# Altium PCB BluetoothAdapter1.0.PcbDoc
Units mm, origin at the board's own origin, x right, y up, seen from the top; angles counter-clockwise.
Board outline 50 x 28 mm, 2 copper layers (Top Layer, Bottom Layer); 68 components, 51 nets, 205 pads, 108 vias.
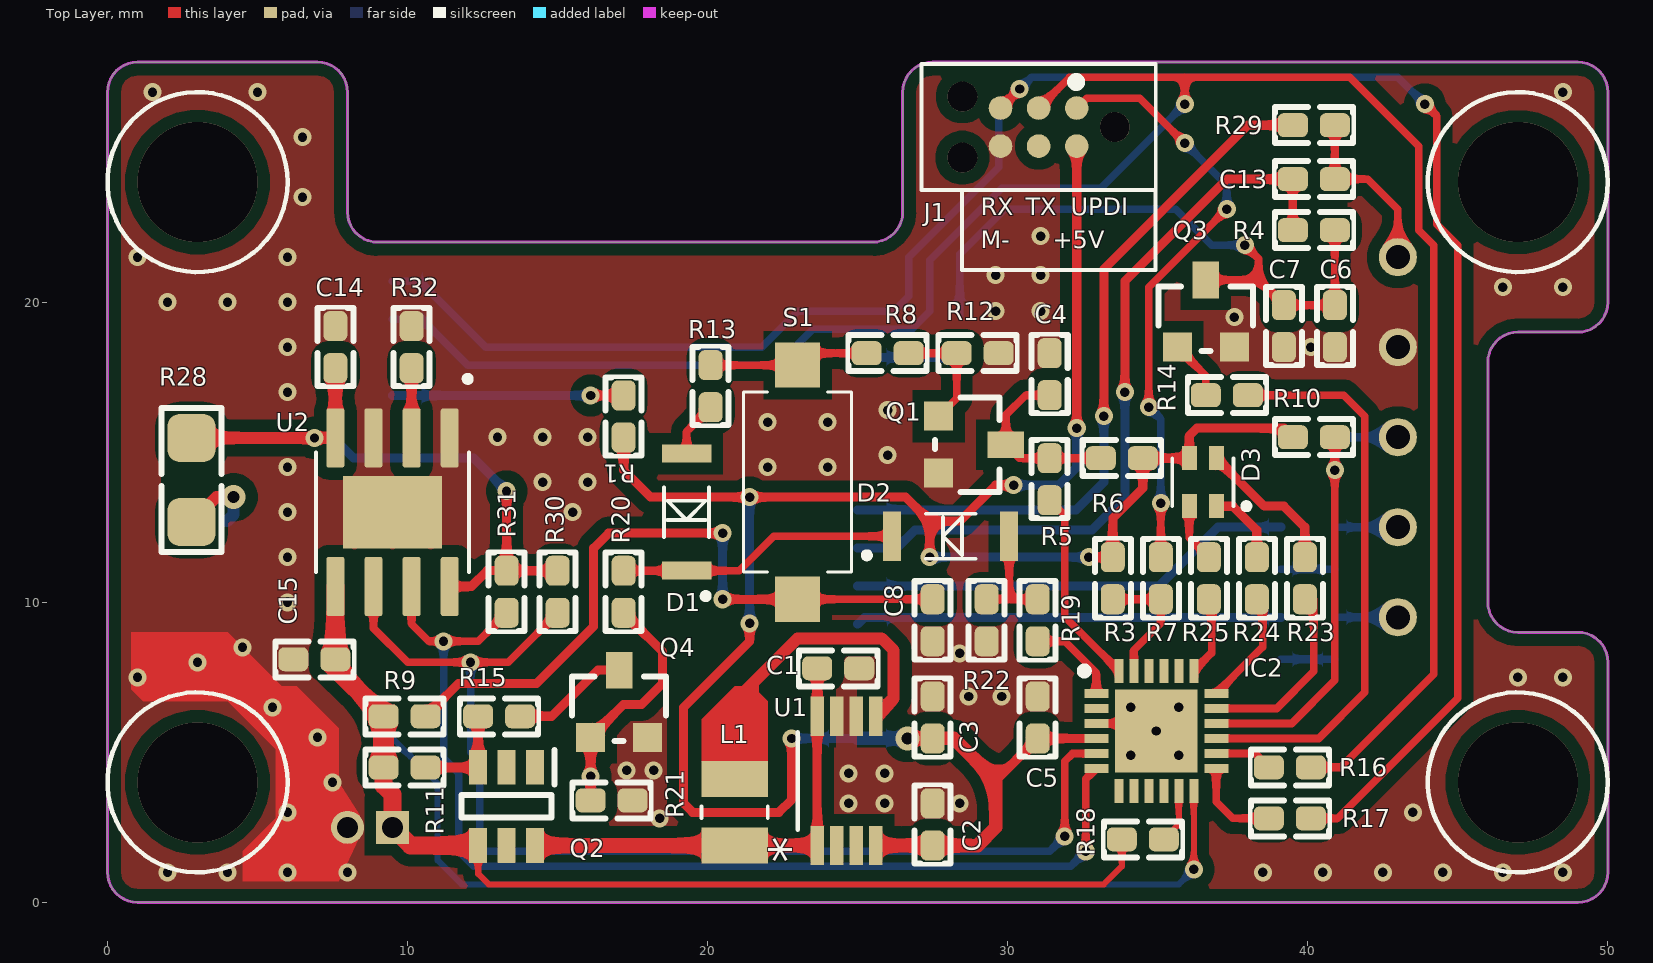
[diagram p0: Top Layer view]
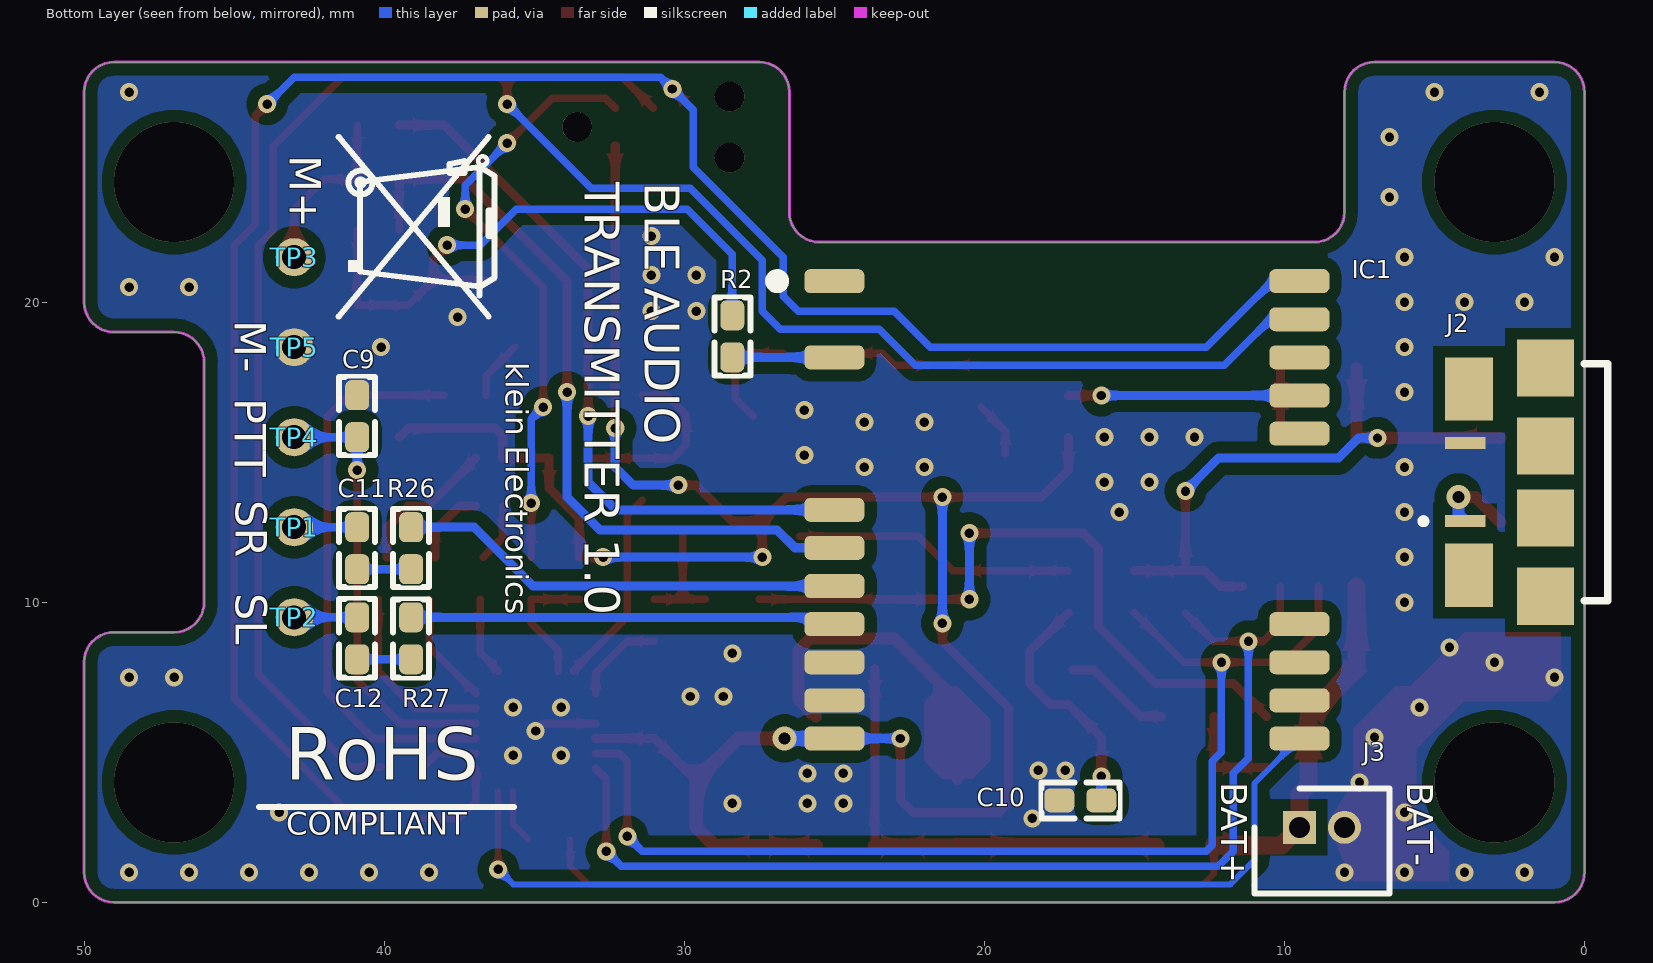
[diagram p1: Bottom Layer view, seen from below]
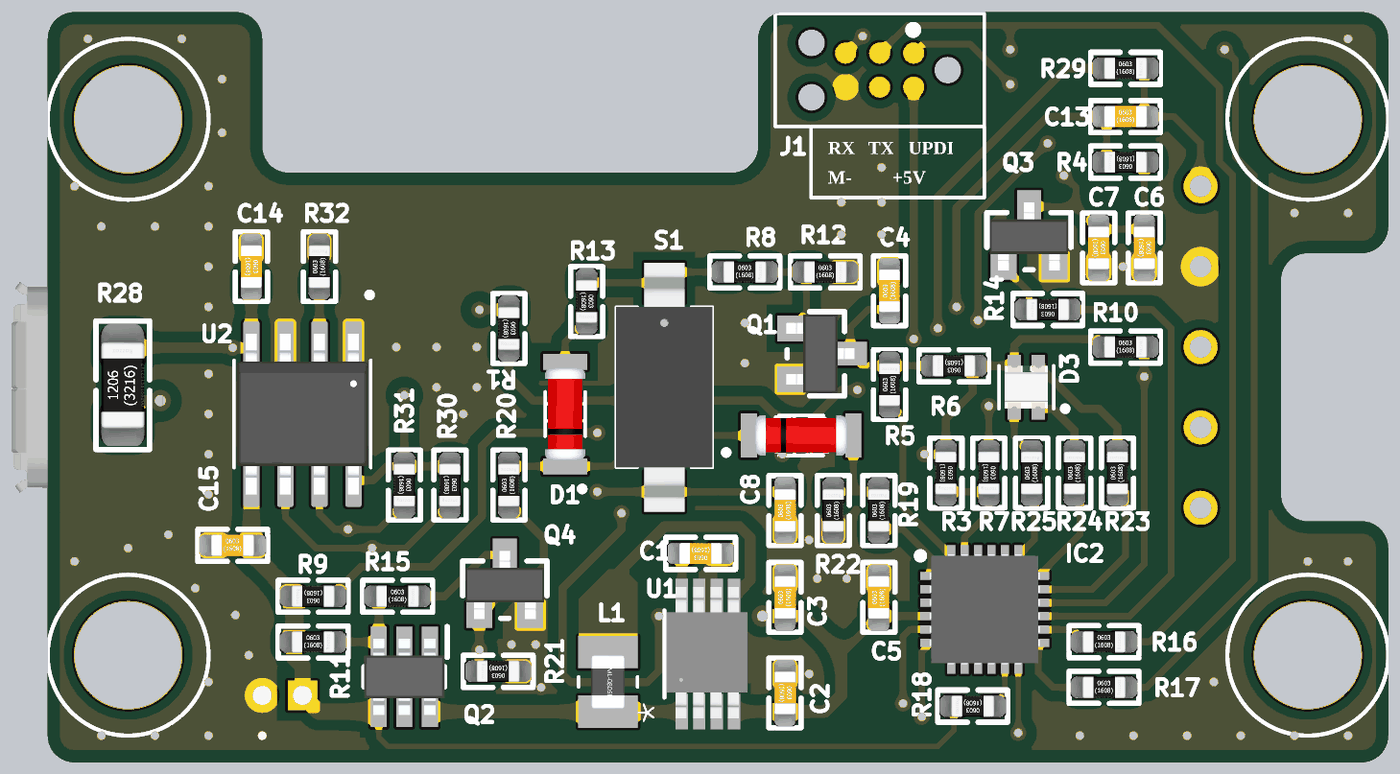
[diagram p2: 3D render of the assembled board from above, using the file's embedded part models]
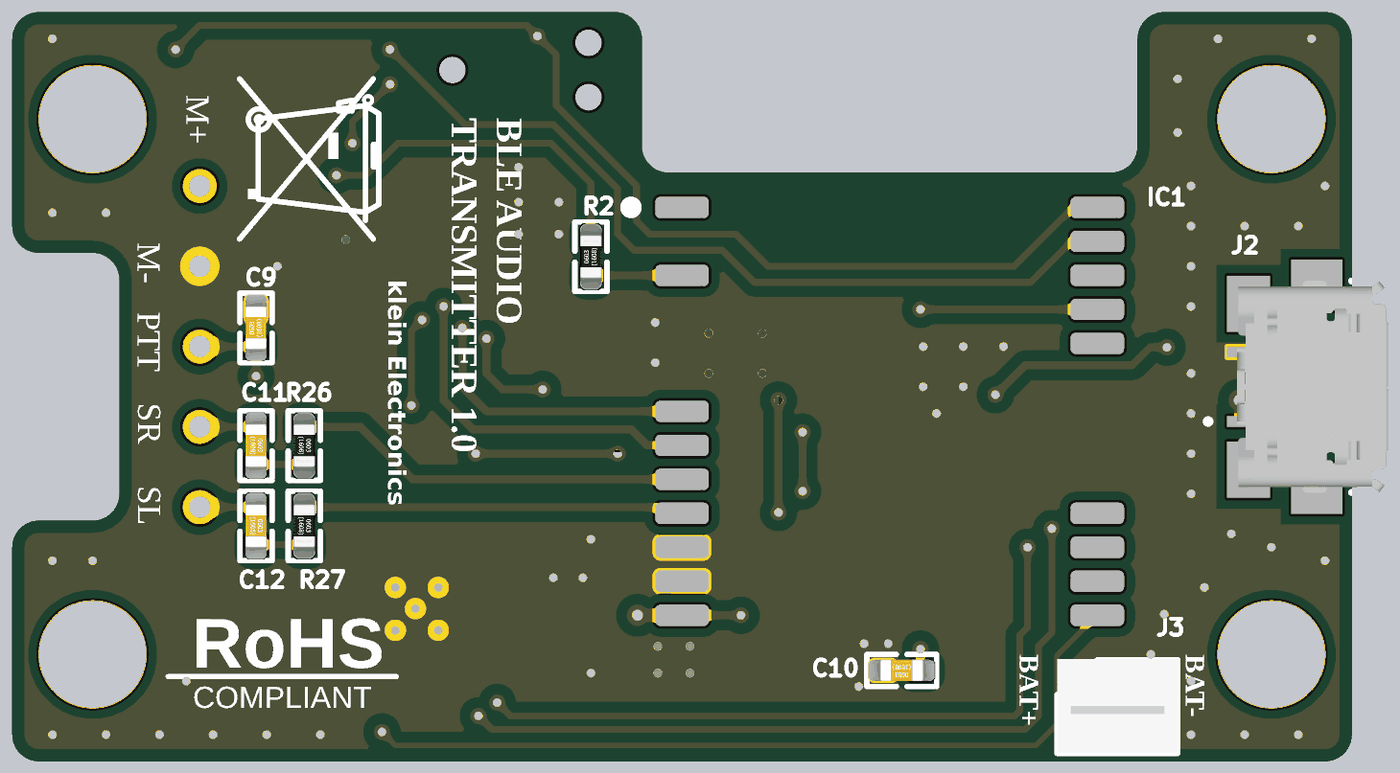
[diagram p3: 3D render of the assembled board from below, using the file's embedded part models]

## Layer stack, top to bottom
Top Solder: solder mask 0.0102, Solder Resist, Dk 3.5
Top Layer: signal copper 0.0356
Dielectric 1: dielectric 0.32, FR-4, Dk 4.8
Bottom Layer: signal copper 0.0356
Bottom Solder: solder mask 0.0102, Solder Resist, Dk 3.5

## Board outline
1,0 cw(c1,1) 0,1 0,27 cw(c1,27) 1,28 7,28 cw(c7,27) 8,27 8,23 ccw(c9,23) 9,22 25.5,22 ccw(c25.5,23) 26.5,23 26.5,27 cw(c27.5,27) 27.5,28 49,28 cw(c49,27) 50,27 50,20 cw(c49,20) 49,19 47,19 ccw(c47,18) 46,18 46,10 ccw(c47,10) 47,9 49,9 cw(c49,8) 50,8 50,1 cw(c49,1) 49,0

## Design rules (kind name [scope] priority, off if disabled: settings)
Clearance Clearance_2 [InPoly] p1: gap=0.4 ignorepadtopadclearanceinfootprint=FALSE
Clearance Clearance_Footprint [HasFootprint('QFN50P400X400X90-25N-D') = false or InComponent('IC2')] p2: gap=0.15 ignorepadtopadclearanceinfootprint=FALSE
Clearance [All] p3: gap=0.254 ignorepadtopadclearanceinfootprint=FALSE
HoleSize [All] p1: absolutevalues=TRUE maxlimit=10 minlimit=0.025 maxpercent=80.000 minpercent=20.000
MinimumSolderMaskSliver [All] p1: minsoldermaskwidth=0
PolygonConnect [All] p1: connectstyle=Direct reliefconductorwidth=0.254 reliefentries=4 polygonreliefangle="90 Angle" airgapwidth=0.254
RoutingVias [All] p1: holewidth=0.31 width=0.6 viastyle="Through Hole" minholewidth=0.3 minwidth=0.6 maxholewidth=10 maxwidth=10
SilkToSilkClearance [All] p1: silktosilkclearance=0
SilkToSolderMaskClearance [IsPad] p1: minsilkscreentomaskgap=0 clearancetoexposedcopper=TRUE
SolderMaskExpansion [All] p1: expansion=0.102
Width [All] p1: maxlimit=2 minlimit=0.2 preferedwidth=0.254
26 further rules are at their usual default settings.

## Components (designator, comment, footprint, x,y, rotation, side; value= is the part's Value field where it differs from the comment)
C1 "CAP CER 10UF 16V X5R 0603" C0603S 24.352,7.8 r180 top value=10uF/16V
C2 "CAP CER 10UF 16V X5R 0603" C0603S 27.5,2.594 r270 top value=10uF/16V
C3 "CAP CER 0.1UF 25V X7R 0603" C0603S 27.5,6.16 r90 top value=0.1uF/25V
C4 "CAP CER 0.1UF 25V X7R 0603" C0603S 31.4,17.6 r90 top value=0.1uF/25V
C5 "CAP CER 0.1UF 25V X7R 0603" C0603S 31,6.16 r90 top value=0.1uF/25V
C6 "CAP CER 1UF 25V X7R 0603" C0603S 40.9,19.2 r270 top value=1uF/25V
C7 "CAP CER 0.1UF 25V X7R 0603" C0603S 39.2,19.2 r270 top value=0.1uF/25V
C8 "CAP CER 100PF 25V X7R 0603" C0603S 27.5,9.4 r90 top value=100pF/25V
C9 "CAP CER 0.1UF 25V X7R 0603" C0603S 40.9,16.2 r90 bottom value=0.1uF/25V
C10 "CAP CER 0.1UF 25V X7R 0603" C0603S 16.8,3.4 r0 bottom value=0.1uF/25V
C11 "CAP CER 10UF 16V X5R 0603" C0603S 40.9,11.8 r270 bottom value=10uF/16V
C12 "CAP CER 10UF 16V X5R 0603" C0603S 40.9,8.8 r270 bottom value=10uF/16V
C13 "CAP CER 1UF 25V X7R 0603" C0603S 40.2,24.1 r0 top value=1uF/25V
C14 "CAP CER 10UF 16V X5R 0603" C0603S 7.595,18.5 r270 top value=10uF/16V
C15 "CAP CER 10UF 16V X5R 0603" C0603S 6.895,8.1 r0 top value=10uF/16V
D1 "DIODE GEN PURP 100V 200MA SOD80" DIO_LL4148 19.3,13 r90 top value=LL4148
D2 "DIODE GEN PURP 100V 200MA SOD80" DIO_LL4148 28.1,12.2 r0 top value=LL4148
D3 "LED RGB MIXED WHITE ( 1.6(L)X1.6" LED_B38G3RGB-10D0003H2U1930 36.5,14 r180 top value=B38G3RGB-10D0003H2U1930
IC1 "AUDIO BLE/SPP PASS-THROUGH MODU" DFR0781 25,5.46 r180 bottom locked value=DFR0781
IC2 "IC MCU 8BIT 32KB FLASH 24VQFN" QFN50P400X400X90-25N-D 34.95,5.71 r0 top value=ATTINY3217-MNR
J1 "TC2030-IDC-NL" TAG_TC2030-IDC-NL 30.339,25.81 r180 top
J2 "CONN RCPT USB2.0 MICRO B SMD R/A" 101181920001LF 2.3,14 r90 bottom value=10118192-0001LF
J3 "CONN HEADER VERT 2POS 1.5MM" SHDR2W50P0X150_1X2_450X350X450P 9.5,2.5 r0 bottom value=B2B-ZR(LF)(SN)
L1 "FIXED IND 4.7UH 1.3A 120MOHM SMD" INDC2520X100N 20.9,3.004 r270 top value=4.7uH
Q1 "TRANS NPN 25V 0.5A SOT23" SOT23-3D 27.7,16.2 r270 top value=S8050
Q2 "MOSFET P-CH 30V 5A 6CPH" SOT95P285X140-6N 13.3,3.194 r270 top value=CPH6341-TL-W
Q3 "TRANS NPN 25V 0.5A SOT23" SOT23-3D 35.65,18.5 r0 top value=S8050
Q4 "TRANS NPN 25V 0.5A SOT23" SOT23-3D 16.1,5.5 r0 top value=S8050
R1 "RES 10K OHM 1% 1/10W 0603" R0603S 17.2,16.19 r270 top value=10K
R2 "RES 0OHM 1% 1/10W 0603" R0603S 28.4,18.86 r90 bottom value=0R_DNP
R3 "RES 100K OHM 1% 1/10W 0603" R0603S 33.5,10.8 r270 top value=100K
R4 "RES 0OHM 1% 1/10W 0603" R0603S 40.2,22.4 r180 top value=0R
R5 "RES 56 OHM 1% 1/10W 0603" R0603S 31.4,14.1 r90 top value=56R
R6 "RES 10K OHM 1% 1/10W 0603" R0603S 33.8,14.8 r180 top value=10K
R7 "RES 470 OHM 1% 1/10W 0603" R0603S 35.1,10.8 r270 top value=470R
R8 "RES 10K OHM 1% 1/10W 0603" R0603S 26,18.3 r0 top value=10K
R9 "RES 56 OHM 1% 1/10W 0603" R0603S 9.9,6.2 r180 top value=56R
R10 "RES 10K OHM 1% 1/10W 0603" R0603S 40.2,15.5 r0 top value=10K
R11 "RES 10K OHM 1% 1/10W 0603" R0603S 9.9,4.494 r0 top value=10K
R12 "RES 10K OHM 1% 1/10W 0603" R0603S 29,18.3 r0 top value=10K
R13 "RES 10K OHM 1% 1/10W 0603" R0603S 20.1,17.2 r270 top value=10K
R14 "RES 1K OHM 1% 1/10W 0603" R0603S 37.3,16.9 r180 top value=1K
R15 "RES 1K OHM 1% 1/10W 0603" R0603S 13.05,6.2 r0 top value=1K
R16 "RES 1K OHM 1% 1/10W 0603" R0603S 39.4,4.5 r0 top value=1K
R17 "RES 1K OHM 1% 1/10W 0603" R0603S 39.4,2.8 r0 top value=1K
R18 "RES 10K OHM 1% 1/10W 0603" R0603S 34.5,2.1 r180 top value=10K
R19 "RES 200 OHM 1% 1/10W 0603" R0603S 31,9.4 r90 top value=200R
R20 "RES 1K OHM 1% 1/10W 0603" R0603S 17.2,10.35 r90 top value=1K
R21 "RES 200K OHM 1% 1/10W 0603" R0603S 16.8,3.4 r180 top value=200K
R22 "RES 10K OHM 1% 1/10W 0603" R0603S 29.3,9.4 r90 top value=10K
R23 "RES 1K OHM 1% 1/10W 0603" R0603S 39.9,10.8 r90 top value=1K
R24 "RES 1K OHM 1% 1/10W 0603" R0603S 38.3,10.8 r90 top value=1K
R25 "RES 1K OHM 1% 1/10W 0603" R0603S 36.7,10.8 r90 top value=1K
R26 "RES 22 OHM 5% 1/10W 0603" R0603S 39.1,11.8 r270 bottom value=22R
R27 "RES 22 OHM 5% 1/10W 0603" R0603S 39.1,8.8 r270 bottom value=22R
R28 "RES 0.4 OHM 1% 1/4W 1206" R1206S 2.8,14.075 r90 top value=0.4R
R29 "RES 6.2K OHM 1% 1/10W 0603" R0603S 40.2,25.9 r0 top value=6.2K
R30 "RES 2K OHM 1% 1/10W 0603" R0603S 15,10.35 r270 top value=2K
R31 "RES 2K OHM 1% 1/10W 0603" R0603S 13.3,10.35 r270 top value=2K
R32 "RES 2.7K OHM 1% 1/10W 0603" R0603S 10.135,18.5 r90 top value=2.7K
S1 "SWITCH TACTILE SPST-NO 0.05A 12V" RS282G05A3SMRT 23,14 r270 top value="RS-282G05A3-SM RT"
TP1 "TP" TP 43,12.5 r180 bottom
TP2 "TP" TP 43,9.5 r180 bottom
TP3 "TP" TP 43,21.5 r180 bottom
TP4 "TP" TP 43,15.5 r180 bottom
TP5 "TP" TP 43,18.5 r180 bottom
U1 "IC REG BOOST 5V 800MA 8MSOP" MCP1642B-50I/MS 24.5,4.1 r90 top value=MCP1642B-50I/MS
U2 "ESOP-8 Battery Management ICs" SOP127P600X175-9N 9.5,13 r270 top value=TP4056

## Footprints (in the part's own frame and the unit in brackets; to place one, negate y for a bottom-side part, rotate by r counter-clockwise, add the part's x,y. Pads: shape width x height; smd on the part's side, far side on the other; paste and mask are expansions set on the pad)
101181920001LF [mm]
  rect 0.4x1.35 smd: 1(-1.3,1.682) 5(1.3,1.682)
  rect 2.1x1.6 smd: 6(-3.1,1.557) 7(3.1,1.557)
  rect 1.9x1.9 smd: 8(-1.2,-0.993) 9(1.2,-0.993) 10(-3.8,-0.993) 11(3.8,-0.993)
  silkscreen extent -3.95,-3.08 3.95,3.17, body extent -3.96,-3.68 3.96,1.99, height 2.78
C0603S [mm] "CHIP Capacitor, 1.6X0.8mm, 0603, soldered"
  rrect50% 1x0.8 smd mask+0.075: 1(-0.7,0) 2(0.7,0)
  silkscreen extent -1.33,-0.6 1.32,0.6, body extent -1.23,-0.4 1.23,0.4, height 0.8
DFR0781 [mm]
  rrect50% 2x0.8 smd: 1(0,15.24) 3(0,12.7) 7(0,7.62) 8(0,6.35) 9(0,5.08) 10(0,3.81) 11(0,2.54) 12(0,1.27) 13(0,0) 14(15.5,0) 15(15.5,1.27) 16(15.5,2.54) 17(15.5,3.81) 22(15.5,10.16) 23(15.5,11.43) 24(15.5,12.7) 25(15.5,13.97) 26(15.5,15.24)
  silkscreen extent -2.1,15.04 -1.71,15.44, body extent -0.1,-0.9 15.6,22.54, height 2
DIO_LL4148 [mm]
  rect 0.6x1.65 smd: 1(1.95,0) 2(-1.95,0)
  silkscreen extent -2.89,-0.75 0.83,0.75, body extent -1.72,-0.75 1.73,0.75, height 1.5
INDC2520X100N [mm]
  rect 1.2x2.22 smd: 1(-1.11,0) 2(1.11,0)
  silkscreen extent -0.19,-1.1 0.19,1.1, body extent -1,-0.63 1,0.63, height 0.82
LED_B38G3RGB-10D0003H2U1930 [mm]
  rect 0.5x0.8 smd: 1(-0.45,0.8) 2(0.45,0.8) 3(0.45,-0.8) 4(-0.45,-0.8)
  silkscreen extent -1.55,-0.8 1.02,0.9, body extent -0.8,-0.8 0.8,0.8, height 0.4
MCP1642B-50I/MS [mil]
  rect 51.46x18 smd paste+0 mask+0: 1(-86.85,33.39) 2(-86.85,7.8) 3(-86.85,-17.8) 4(-86.85,-43.39) 5(82.6,-43.39) 6(82.6,-17.8) 7(82.6,7.8) 8(82.6,33.39)
  silkscreen extent -66,59 62,59, body extent -96,-63 96,55, height 43
QFN50P400X400X90-25N-D [mm]
  rect 0.8x0.3 smd: 1(-2,1.25) 2(-2,0.75) 3(-2,0.25) 4(-2,-0.25) 5(-2,-0.75) 6(-2,-1.25) 13(2,-1.25) 14(2,-0.75) 15(2,-0.25) 16(2,0.25) 17(2,0.75) 18(2,1.25)
  rect 0.3x0.8 smd: 7(-1.25,-2) 8(-0.75,-2) 9(-0.25,-2) 10(0.25,-2) 11(0.75,-2) 12(1.25,-2) 19(1.25,2) 20(0.75,2) 21(0.25,2) 22(-0.25,2) 23(-0.75,2) 24(-1.25,2)
  rect 2.75x2.75 smd: 25(0,0)
  silkscreen extent -2.52,1.88 -2.27,2.12, body extent -2.05,-2.05 2.05,2.05, height 0.9
R0603S [mm] "CHIP Resistor 1/10 WATT, 1.6x0.8mm, 0603, 1608, soldered"
  rrect50% 1x0.8 smd mask+0.05: 1(-0.7,0) 2(0.7,0)
  silkscreen extent -1.33,-0.6 1.32,0.6, body extent -1.23,-0.4 1.23,0.4, height 0.8
R1206S [mm] "CHIP RESISTOR 1/4 WATT, Body 3.2x1.6mm,1206, 3216, soldered"
  rrect50% 1.6x1.6 smd mask+0.075: 1(-1.4,0) 2(1.4,0)
  Top Layer pour cut-out: -0.8,1 -0.8,-1 0.8,-1 0.8,1
  silkscreen extent -2.4,-1 2.4,1, body extent -2.27,-0.8 2.27,0.8, height 1.25
RS282G05A3SMRT [mm]
  rect 1.5x1.5 smd: 1(-3.9,0) 2(3.9,0)
  silkscreen extent -3,-1.8 3,1.8, body extent -4.65,-1.8 4.65,1.8, height 2.49
SHDR2W50P0X150_1X2_450X350X450P [mm]
  rect 1.1x1.1 hole 0.7: 1(0,0)
  round 1.1 hole 0.7: 2(-1.5,0)
  silkscreen extent -3,-1.3 1.5,2.2, body extent -3.01,-1.32 1.49,2.18, height 4.5
SOP127P600X175-9N [mm]
  rrect25% 1.97x0.6 smd: 1(-2.475,1.905) 2(-2.475,0.635) 3(-2.475,-0.635) 4(-2.475,-1.905) 5(2.475,-1.905) 6(2.475,-0.635) 7(2.475,0.635) 8(2.475,1.905)
  rect 2.413x3.302 smd paste-3: 9(0,0)
  silkscreen extent -4.54,-2.55 2,2.6, body extent -3,-2.45 3,2.45, height 1.7
SOT23-3D [mm]
  rect 0.965x0.965 smd: 1(0,0) 3(1.9,0)
  rect 0.889x1.219 smd: 2(0.95,2.24)
  silkscreen extent -0.62,-0.12 2.52,2.02, body extent -0.51,-0.15 2.41,2.39, height 1
SOT95P285X140-6N [mm]
  rect 1.15x0.6 smd: 1(-1.3,0.95) 2(-1.3,0) 3(-1.3,-0.95) 4(1.3,-0.95) 5(1.3,0) 6(1.3,0.95)
  silkscreen extent -1.88,-1.5 0.38,1.6, body extent -1.43,-1.5 1.42,1.5, height 1.4
TAG_TC2030-IDC-NL [mm]
  round 0.787 smd paste-1: 1(-1.961,-0.66) 2(-1.961,0.61) 3(-0.691,-0.66) 4(-0.691,0.61) 5(0.579,-0.66) 6(0.579,0.61)
  round 0.991 hole 0.991 unplated: ""(-3.231,-0.025) ""(1.849,-1.041) ""(1.849,0.991)
  silkscreen extent -4.59,-2.13 3.21,2.08
TP [mm]
  round 1.27 hole 0.8: 1(0,0)

## Part data
C1 C2 C11 C12 C14 C15: library part Cap, "10 µF ±20% 16V Ceramic Capacitor X5R 0603 (1608 Metric)", Digi-Key Part Number=490-10729-6-ND, Manufacturer="Murata Electronics", Manufacturer Product Number=GRM188R61C106MAALD, TemperatureCoefficient=X5R, Digi-Key PurchaseURL=https://www.digikey.com/en/products/detail/murata-electronics/GRM188R61C106MAALD/4905340
C3 C4 C5 C7 C9 C10: library part Cap, "0.1 µF ±10% 25V Ceramic Capacitor X7R 0603 (1608 Metric)", Digi-Key Part Number=399-C0603C104K3RAC7867TR-ND, Manufacturer=KEMET, Manufacturer Product Number=C0603C104K3RAC7867, TemperatureCoefficient=X7R, Digi-Key PurchaseURL=https://www.digikey.com/en/products/detail/kemet/C0603C104K3RAC7867/416044
C6 C13: library part Cap, "1 µF ±10% 25V Ceramic Capacitor X7R 0603 (1608 Metric)", Digi-Key Part Number=399-C0603C105K3RAC7867DKR-ND, Manufacturer=KEMET, Manufacturer Product Number=C0603C105K3RAC7867, TemperatureCoefficient=X7R, Digi-Key PurchaseURL=https://www.digikey.com/en/products/detail/kemet/C0603C105K3RAC7867/3317582?s=N4IgTCBcDaIMIAYBsCDMcCMCCsBpVASgIJwDsAHEqSALoC%2BQA
C8: library part Cap, "0.1 µF ±10% 25V Ceramic Capacitor X7R 0603 (1608 Metric)", Digi-Key Part Number=399-C0603C101K3RACAUTODKR-ND, Manufacturer=KEMET, Manufacturer Product Number=C0603C101K3RACAUTO, TemperatureCoefficient=X7R, Digi-Key PurchaseURL=https://www.digikey.com/en/products/detail/kemet/C0603C101K3RACAUTO/10642423
D1 D2: library part Diode, "Diode Standard 100 V 200mA Surface Mount SOD-80", Digi-Key Part Number=LL4148FSCT-ND, LCSC Part Number=C9808, Manufacturer=onsemi, Manufacturer Product Number=LL4148, TemperatureCoefficient="-55°C ~ 175°C", Digi-Key PurchaseURL=https://www.digikey.com/en/products/detail/onsemi/LL4148/1923046, LCSC Purchase URL=https://www.lcsc.com/product-detail/Switching-Diode_ST-Semtech-LL4148_C9808.html
D3: library part B38G3RGB-10D0003H2U1930, "Red, Green, Blue (RGB) LED Indication - Discrete 2V Red, 3V Green, 3V Blue 0606 (1616 Metric)", Digi-Key Part Number=3147-B38G3RGB-10D0003H2U1930DKR-ND, Manufacturer="Harvatek Corporation", Digi-Key PurchaseURL=https://www.digikey.com/en/products/detail/harvatek-corporation/B38G3RGB-10D0003H2U1930/13588733?s=N4IgTCBcDaIEIGYAcBxBAlFcC0BGADACL4kIASYAqrgJwL4gC6AvkA, Manufacturer Product Number=B38G3RGB-10D0003H2U1930
IC1: library part DFR0781, "Bluetooth Bluetooth v5.0 Transceiver Module Antenna Not Included Surface Mount", Digi-Key Part Number=1738-DFR0781-ND, Manufacturer=DFRobot, Digi-Key PurchaseURL=https://www.digikey.com/en/products/detail/dfrobot/DFR0781/13688344?s=N4IgTCBcDaICYDMBOAGA7ADgIwgLoF8g, Manufacturer Product Number=DFR0781
IC2: library part ATTINY3217-MNR, "AVR tinyAVR™ 1, Functional Safety (FuSa) Microcontroller IC 8-Bit 20MHz 32KB (32K x 8) FLASH 24-VQFN (4x4)", Digi-Key Part Number=ATTINY3217-MNRDKR-ND, Manufacturer=Microchip, Digi-Key PurchaseURL=https://www.digikey.com/en/products/detail/microchip-technology/ATTINY3217-MNR/9477738?s=N4IgTCBcDaIIIBUEEkByBNAzGAjAdgFoBZVAJRAF0BfIA, Manufacturer Product Number=ATTINY3217-MNR
J1: "6-PIN PLUG-OF-NAILS CABLE 6", Package="Package Analog Devices", Availability=Unavailable, MF=Tag-Connect, MP=TC2030-IDC-NL, Price=None, SnapEDA_Link=https://www.snapeda.com/parts/TC2030-IDC-NL/Tag-Connect/view-part/2783029/?ref=snap
J2: library part 10118192-0001LF, "USB - micro B USB 2.0 Receptacle Connector 5 Position Surface Mount, Right Angle", Digi-Key Part Number=609-4613-6-ND, Manufacturer=Amphenol, Digi-Key PurchaseURL=https://www.digikey.com/en/products/detail/amphenol-cs-fci/10118192-0001LF/2785387?s=N4IgTCBcDaIIwAY5wBxwJxgLQN3AMgGIgC6AvkA, Manufacturer Product Number=10118192-0001LF
J3: library part B2B-ZR(LF)(SN), "Connector Header Through Hole 2 position 0.059\" (1.50mm)", Digi-Key Part Number=455-1657-ND, Manufacturer="JST (JAPAN SOLDERLESS TERMINALS)", Digi-Key PurchaseURL=https://www.digikey.com/en/products/detail/jst-sales-america-inc/B2B-ZR-LF-SN/926564, Manufacturer Product Number=B2B-ZR(LF)(SN)
L1: library part AIML-1008HC-4R7M-T, "4.7 µH Shielded Multilayer Inductor 1.3 A 120mOhm 1008 (2520 Metric)", Digi-Key Part Number=535-12797-6-ND, Manufacturer="Abracon LLC", Digi-Key PurchaseURL=https://www.digikey.com/en/products/detail/abracon-llc/AIML-1008HC-4R7M-T/5043494?s=N4IgTCBcDaIIIEkCyAZAtARgAxYBwAkBhNAFgCUB2JNAFRAF0BfIA, Manufacturer Product Number=AIML-1008HC-4R7M-T
Q1 Q3 Q4: library part S8050, "Bipolar (BJT) Transistor NPN 25 V 500 mA 150MHz 300 mW Surface Mount SOT-23", Digi-Key Part Number=3372-S8050TR-ND, Manufacturer=MDD, Digi-Key PurchaseURL=https://www.digikey.com/en/products/detail/nextgen-components/S8050/16602420, Manufacturer Product Number=S8050
Q2: library part CPH6341-TL-W, "P-Channel 30 V 5A (Ta) 1.6W (Ta) Surface Mount 6-CPH", Digi-Key Part Number=CPH6341-TL-WOSDKR-ND, Manufacturer=onsemi, Digi-Key PurchaseURL=https://www.digikey.com/en/products/detail/onsemi/CPH6341-TL-W/4847611, Manufacturer Product Number=CPH6341-TL-W
R1 R6 R8 R10 R11 R12 R13 R18 R22: library part R0603, "10 kOhms ±1% 0.1W, 1/10W Chip Resistor 0603 (1608 Metric) Moisture Resistant Thick Film", Digi-Key Part Number=311-10.0KHRCT-ND, Manufacturer=YAGEO, Manufacturer Product Number=RC0603FR-0710KL, Digi-Key PurchaseURL=https://www.digikey.com/en/products/detail/yageo/RC0603FR-0710KL/726880
R2 R4: library part R0603, "0Ohms ±1% 0.1W, 1/10W Chip Resistor 0603 (1608 Metric) Moisture Resistant Thick Film", Digi-Key Part Number=311-0.0GRDKR-ND, Manufacturer=YAGEO, Manufacturer Product Number=RC0603JR-070RL, Digi-Key PurchaseURL=https://www.digikey.com/en/products/detail/yageo/RC0603JR-070RL/726675
R3: library part R0603, "100 kOhms ±1% 0.1W, 1/10W Chip Resistor 0603 (1608 Metric) Moisture Resistant Thick Film", Digi-Key Part Number=311-100KHRDKR-ND, Manufacturer=YAGEO, Manufacturer Product Number=RC0603FR-07100KL, Digi-Key PurchaseURL=https://www.digikey.com/en/products/detail/yageo/RC0603FR-07100KL/726889?s=N4IgTCBcDaIEoGEAMA2JBmAYnAtEg7AIxJIDSAMiALoC%2BQA
R5 R9: library part R0603, "1 kOhms ±1% 0.1W, 1/10W Chip Resistor 0603 (1608 Metric) Moisture Resistant Thick Film", Digi-Key Part Number=311-56.0HRDKR-ND, Manufacturer=YAGEO, Manufacturer Product Number=RC0603FR-0756RL, Digi-Key PurchaseURL=https://www.digikey.com/en/products/detail/yageo/RC0603FR-0756RL/727301
R7: library part R0603, "470 Ohms ±1% 0.1W, 1/10W Chip Resistor 0603 (1608 Metric) Moisture Resistant Thick Film", Digi-Key Part Number=311-470HRDKR-ND, Manufacturer=YAGEO, Manufacturer Product Number=RC0603FR-07470RL, Digi-Key PurchaseURL=https://www.digikey.com/en/products/detail/yageo/RC0603FR-07470RL/727256
R14 R15 R16 R17 R20 R23 R24 R25: library part R0603, "1 kOhms ±1% 0.1W, 1/10W Chip Resistor 0603 (1608 Metric) Moisture Resistant Thick Film", Digi-Key Part Number=311-1.00KHRTR-ND, Manufacturer=YAGEO, Manufacturer Product Number=RC0603FR-071KL, Digi-Key PurchaseURL=https://www.digikey.com/en/products/detail/yageo/RC0603FR-071KL/726843
R19: library part R0603, "10 kOhms ±1% 0.1W, 1/10W Chip Resistor 0603 (1608 Metric) Moisture Resistant Thick Film", Digi-Key Part Number=311-200HRDKR-ND, Manufacturer=YAGEO, Manufacturer Product Number=RC0603FR-07200RL, Digi-Key PurchaseURL=https://www.digikey.com/en/products/detail/yageo/RC0603FR-07200RL/727043
R21: library part R0603, "100 kOhms ±1% 0.1W, 1/10W Chip Resistor 0603 (1608 Metric) Moisture Resistant Thick Film", Digi-Key Part Number=13-RC0603FR-10200KLDKR-ND, Manufacturer=YAGEO, Manufacturer Product Number=RC0603FR-10200KL, Digi-Key PurchaseURL=https://www.digikey.com/en/products/detail/yageo/RC0603FR-10200KL/14008344
R26 R27: library part R0603, "22 Ohms ±5% 0.1W, 1/10W Chip Resistor 0603 (1608 Metric) Moisture Resistant Thick Film", Digi-Key Part Number=311-22GRDKR-ND, Manufacturer=YAGEO, Manufacturer Product Number=RC0603JR-0722RL, Digi-Key PurchaseURL=https://www.digikey.com/en/products/detail/yageo/RC0603JR-0722RL/726743?s=N4IgTCBcDaIEoGEAMA2JBmAUnAtEg7GGHADIgC6AvkA
R28: library part R0603, "400 mOhms ±1% 0.25W, 1/4W Chip Resistor 1206 (3216 Metric) Automotive AEC-Q200, Current Sense, Moisture Resistant Thick Film", Digi-Key Part Number=311-.4LWDKR-ND, Manufacturer=YAGEO, Manufacturer Product Number=RL1206FR-070R4L, Digi-Key PurchaseURL=https://www.digikey.com/en/products/detail/yageo/RL1206FR-070R4L/3886028
R29: library part R0603, "6.2 kOhms ±1% 0.1W, 1/10W Chip Resistor 0603 (1608 Metric) Moisture Resistant Thick Film", Digi-Key Part Number=311-6.20KHRDKR-ND, Manufacturer=YAGEO, Manufacturer Product Number=RC0603FR-076K2L, Digi-Key PurchaseURL=https://www.digikey.com/en/products/detail/yageo/RC0603FR-076K2L/727319?s=N4IgTCBcDaIEoGEAMA2JBmAYnAtEg7CgNJgAyIAugL5A
R30 R31: library part R0603, "2 kOhms ±1% 0.1W, 1/10W Chip Resistor 0603 (1608 Metric) Moisture Resistant Thick Film", Digi-Key Part Number=311-2.00KHRDKR-ND, Manufacturer=YAGEO, Manufacturer Product Number=RC0603FR-072KL, Digi-Key PurchaseURL=https://www.digikey.com/en/products/detail/yageo/RC0603FR-072KL/727009
R32: library part R0603, "2.7 kOhms ±1% 0.1W, 1/10W Chip Resistor 0603 (1608 Metric) Moisture Resistant Thick Film", Digi-Key Part Number=311-2.70KHRDKR-ND, Manufacturer=YAGEO, Manufacturer Product Number=RC0603FR-072K7L, Digi-Key PurchaseURL=https://www.digikey.com/en/products/detail/yageo/RC0603FR-072K7L/727032
S1: library part RS282G05A3SMRT, "Tactile Switch SPST-NO Top Actuated Surface Mount", Digi-Key Part Number=CKN10384DKR-ND, Manufacturer="C & K COMPONENTS", Manufacturer Product Number="RS-282G05A3-SM RT", Digi-Key PurchaseURL=https://www.digikey.com/en/products/detail/c-k/RS-282G05A3-SM-RT/2747190
U1: library part MCP1642B-50I/MS, "Boost Switching Regulator IC Positive Fixed 5V 1 Output 800mA 8-TSSOP, 8-MSOP (0.118\", 3.00mm Width)", Digi-Key Part Number=MCP1642B-50I/MS-ND, Manufacturer="Microchip Technology", Digi-Key PurchaseURL=https://www.digikey.com/en/products/detail/microchip-technology/MCP1642B-50I-MS/5137716?s=N4IgTCBcDaILIGEAKBGAbAFjAIQLQFYAGASQHo4BlEAXQF8g, Manufacturer Product Number=MCP1642B-50I/MS
U2: library part TP4056, "Complete single cell Li-Ion battery with a constant current / constant voltage linear charger", Digi-Key Part Number=C382139, Manufacturer="TPOWER semiconductor Co.,LTD.", Digi-Key Purchase URL=https://www.lcsc.com/product-detail/Battery-Management-ICs_TPOWER-TP4056_C382139.html, Manufacturer Product Number=TP4056

## Via types
v1: diameter 0.6, hole 0.31, Top Layer to Bottom Layer, tented both sides, 97 vias
v2: diameter 0.6, hole 0.31, Top Layer to Bottom Layer, 5 vias
v3: diameter 4, hole 4, Top Layer to Bottom Layer, 4 vias
v4: diameter 0.8, hole 0.4, Top Layer to Bottom Layer, tented both sides, 2 vias

## Nets (pads, with @x,y where several pads share a name; then routed paths per layer and width w, separated by ;. In a path a pad name is that pad's centre, name@x,y a point inside that pad or via, vN(x,y) a via of type N, cw(c..) or ccw(c..) an arc to the next point about the centre after c; other vN are vias at no path point)
5V: C2.2 C3.1 C5.1 D3.3 IC1.13 IC2.4 J1.2 R1.2 R3.1 R6.1 R10.1 U1.4 | length 79.5
  Top Layer w0.3: R1.2 17.2,14.4 18.1,13.5 v1(21.4,13.5) 26.6,13.5 27.4,12.7 ; v1(21.4,9.3) 21.4,8.7 19.2,6.5 19.2,3.3 19.5,3 22.374,3 22.8,3.426 v1(22.8,5.46) ; v1(27.4,11.5) 27.4,12.7 ; 29.6,4.06 C5.1 IC2.4 ; v1(30.2,13.9) 29.6,13.9 28.4,12.7 27.4,12.7 ; v1(32.3,15.8) J1.2 ; v1(32.7,11.5) R3.1 33.5,12.8 34.5,13.8 R6.1 D3.3 36.05,15.55 36.3,15.8 39.2,15.8 R10.1
  Top Layer w0.45: U1.4 C2.2 28.994,1.894 29.6,2.5 29.6,4.06 28.2,5.46 C3.1 v4(26.66,5.46)
  Bottom Layer w0.3: v1(21.4,9.3) v1(21.4,13.5) ; v1(22.8,5.46) IC1.13 ; v1(27.4,11.5) v1(32.7,11.5) ; v1(30.2,13.9) 31.7,13.9 32.3,14.5 v1(32.3,15.8)
  Bottom Layer w0.45: IC1.13 v4(26.66,5.46)
+BATT: C15.2 J3.1 Q2.4 R9.2 R11.1 R18.2 U2.5 | length 35.6
  Top Layer w0.2: Q2.4 12.35,0.95 12.7,0.6 33.2,0.6 33.8,1.2 R18.2
  Top Layer w0.6: U2.5 C15.2 7.595,7.805 R9.2 R11.1 9.2,3.9 9.5,3.6 J3.1 10.106,1.894 Q2.4
AD_KEY: IC1.3 R2.1 | length 3.4
  Bottom Layer w0.3: IC1.3 R2.1
CHRG: IC2.6 R31.2 U2.7 | length 36.5
  Top Layer w0.254: U2.7 10.135,9.265 10.7,8.7 v1(11.2,8.7) 12.35,8.7 R31.2 ; v1(32.6,1.7) 32.6,4.11 IC2.6
  Bottom Layer w0.254: v1(11.2,8.7) 11.2,4.8 11.7,4.3 11.7,1.7 12.2,1.2 32.1,1.2 v1(32.6,1.7)
DACL: IC1.10 R27.1 | length 14.2
  Bottom Layer w0.3: IC1.10 25.23,9.5 R27.1
DACR: IC1.9 R26.1 | length 14.9
  Bottom Layer w0.3: IC1.9 35.04,10.54 37,12.5 R26.1
DVDD: IC1.7 R29.1 | length 24
  Top Layer w0.3: v1(33.2,16.2) 33.2,21.1 38,25.9 R29.1
  Bottom Layer w0.3: IC1.7 32.28,13.08 33.2,14 v1(33.2,16.2)
INT: IC1.14 IC2.12 | length 33
  Top Layer w0.2: v1(36.2,1.1) IC2.12
  Bottom Layer w0.2: IC1.14 11,3.96 11,1.4 11.8,0.6 35.7,0.6 v1(36.2,1.1)
KEY: IC2.24 R5.1 | length 6.6
  Top Layer w0.254: R5.1 31.9,12.9 31.9,9.51 IC2.24
LED_B: IC2.19 R25.1 | length 2.6
  Top Layer w0.254: IC2.19 36.8,8.31 R25.1@36.8,10.1
LED_G: IC2.18 R24.1 | length 3.8
  Top Layer w0.254: IC2.18 38.5,8.51 R24.1@38.5,10.1
LED_R: IC2.17 R23.1 | length 6.2
  Top Layer w0.254: IC2.17 38.96,6.46 40.2,7.7 R23.1@40.2,10.1
MIC+: C13.1 IC1.8 R4.2 | length 25.5
  Top Layer w0.254: R4.2 C13.1
  Top Layer w0.3: v1(33.9,17) 33.9,20.7 37.3,24.1 C13.1
  Bottom Layer w0.3: IC1.8 26.31,11.81 26.911,12.411 32.811,12.411 33.9,13.5 v1(33.9,17)
MIC-: C1.1 C2.1 C3.2 C4.2 C5.2 C6.2 C7.2 C8.1 C9.2 C10.2 C14.1 C15.1 IC1.11 IC1.12 IC2.3 IC2.25 J1.6 J2.5 J3.2 Q1.3 Q3.3 Q4.3 R12.2 R21.1 R22.1 R32.2 TP5.1 U1.6 U1.7 U2.1 U2.3 U2.9 | length 2.1
  Top Layer w0.254: IC2.3 34.7,5.96 v2(34.95,5.71)
  other v1: 2,1 4,1 6,1 8,1 38.5,1 40.5,1 42.5,1 44.5,1 46.5,1 48.5,1 18.4,2.8 6,3 43.5,3 24.7,3.3 25.9,3.3 28.4,3.3 7.5,4 24.7,4.3 25.9,4.3 17.3,4.4 18.2,4.4 7,5.5 5.5,6.5 28.7,6.86 29.8,6.86 1,7.5 47,7.5 48.5,7.5 3,8 28.4,8.3 4.5,8.5 6,10 6,11.5 6,13 15.5,13 14.5,14 16,14 6,14.5 22,14.5 24,14.5 26,14.9 13,15.5 14.5,15.5 16,15.5 22,16 24,16 26,16.4 6,17 6,18.5 40.1,18.5 37.55,19.5 29.6,19.7 31.1,19.7 2,20 4,20 6,20 46.5,20.5 48.5,20.5 29.6,20.9 31.1,20.9 1,21.5 6,21.5 31.1,22.2 6.5,23.5 6.5,25.5 1.5,27 5,27 48.5,27
  other v2: 34.1,4.9 35.7,4.9 34.1,6.5 35.7,6.5
NetC4_1: C4.1 Q1.2 R5.2 R6.2 | length 6.1
  Top Layer w0.254: C4.1 30.6,16.9 29.94,16.24 Q1.2 30.39,14.8 R5.2 R6.2
NetC6_1: C6.1 C7.1 Q3.2 R2.2 R4.1 | length 21.2
  Top Layer w0.254: Q3.2 38.36,20.74 ; v1(37.9,21.9) 38.36,21.44 38.36,20.74 ; R4.1 C6.1 C7.1 38.36,20.74
  Bottom Layer w0.254: R2.2 28.4,21.6 29.9,23.1 35.6,23.1 36.8,21.9 v1(37.9,21.9)
NetC8_2: C8.2 R9.1 S1.2 | length 23.1
  Top Layer w0.254: S1.2 C8.2
  Top Layer w0.3: R9.1 11.7,7.3 14.3,7.3 16.2,9.2 16.2,11.8 16.7,12.3 v1(20.5,12.3) ; v1(20.5,10.1) S1.2
  Bottom Layer w0.3: v1(20.5,10.1) v1(20.5,12.3)
NetC10_1: C10.1 Q4.1 R20.1 R21.2 | length 8.9
  Top Layer w0.3: R21.2 v1(16.1,4.2) Q4.1 17.2,6.6 17.8,6.6 18.5,7.3 18.5,8.35 R20.1
  Bottom Layer w0.3: C10.1 v1(16.1,4.2)
NetC11_1: C11.1 TP1.1 | length 2.1
  Bottom Layer w0.254: C11.1 TP1.1
NetC11_2: C11.2 R26.2 | length 1.8
  Bottom Layer w0.254: R26.2 C11.2
NetC12_1: C12.1 TP2.1 | length 2.1
  Bottom Layer w0.254: C12.1 TP2.1
NetC12_2: C12.2 R27.2 | length 1.8
  Bottom Layer w0.254: R27.2 C12.2
NetC13_2: C13.2 R29.2 TP3.1 | length 5.9
  Top Layer w0.254: R29.2 C13.2 42,24.1 43,23.1 TP3.1
NetD1_1: D1.1 R13.2 | length 1.9
  Top Layer w0.254: D1.1 19.3,15.7 R13.2
NetD1_2: D1.2 D2.2 R20.2 | length 9.4
  Top Layer w0.254: R20.2 D1.2 21.05,11.05 22.2,12.2 D2.2
NetD2_1: D2.1 R19.2 R22.2 | length 3.8
  Top Layer w0.254: R22.2 30.05,10.1 ; D2.1 30.05,10.1 ; R19.2 30.05,10.1
NetD3_1: D3.1 R24.2 | length 2.6
  Top Layer w0.3: D3.1 37.5,13.2 38.3,12.4 R24.2
NetD3_2: D3.2 R25.2 | length 2
  Top Layer w0.254: D3.2 36.05,12.15 R25.2
NetD3_4: D3.4 R23.2 | length 4.9
  Top Layer w0.3: D3.4 38.55,13.2 39.2,13.2 39.9,12.5 R23.2
NetIC1_23: IC1.23 R1.1 | length 7.7
  Top Layer w0.3: v1(16.1,16.89) R1.1
  Bottom Layer w0.3: IC1.23 v1(16.1,16.89)
NetIC2_11: IC2.11 R18.1 | length 1.8
  Top Layer w0.2: R18.1 35.7,2.6 IC2.11
NetIC2_13: IC2.13 R17.1 | length 3.1
  Top Layer w0.254: IC2.13 36.95,3.35 37.5,2.8 R17.1
NetIC2_14: IC2.14 R16.1 | length 1.9
  Top Layer w0.254: IC2.14 38.24,4.96 R16.1
NetIC2_23: IC2.23 R3.2 R7.2 | length 4.4
  Top Layer w0.254: R3.2 R7.2 35.1,9.3 34.2,8.4 IC2.23
NetL1_1: L1.1 U1.5 | length 11.4
  Top Layer w0.4: L1.1 20.9,6.7 23,8.8 25.8,8.8 26.2,8.4 26.2,6.796 U1.5
NetQ1_1: Q1.1 R8.2 R12.1 | length 3.9
  Top Layer w0.254: R8.2 R12.1 28.3,16.8 Q1.1
NetQ2_3: Q2.3 R11.2 R15.1 | length 3.5
  Top Layer w0.3: R11.2 Q2.3 R15.1
NetQ3_1: Q3.1 R14.2 | length 2
  Top Layer w0.254: Q3.1 36.6,17.55 R14.2
NetQ4_2: Q4.2 R15.2 | length 3.6
  Top Layer w0.3: R15.2@14.1,6.2 14.8,6.2 16.34,7.74 Q4.2
NetR8_1: R8.1 R13.1 S1.1 | length 5.4
  Top Layer w0.254: R13.1 S1.1 23.4,18.3 R8.1
NetR32_1: R32.1 U2.2 | length 2.3
  Top Layer w0.3: U2.2 R32.1
P_CONTROL: IC2.1 R19.1 | length 3.1
  Top Layer w0.254: R19.1 31.9,8.7 32.95,7.65 IC2.1
PTT_IN: C9.1 IC2.16 R10.2 TP4.1 | length 15.8
  Top Layer w0.254: IC2.16 39.46,5.96 40.9,7.4 v1(40.9,14.4) R10.2
  Bottom Layer w0.254: v1(40.9,14.4) C9.1 TP4.1
PTT_OUT: IC2.15 R14.1 | length 19
  Top Layer w0.254: IC2.15 40.36,5.46 41.9,7 41.9,16.2 41.2,16.9 R14.1
RX0: IC1.26 J1.5 R17.2 | length 69
  Top Layer w0.254: J1.5 v1(30.398,27.102) ; R17.2 41,2.8 45,6.8 45,21.9 44.3,22.6 44.3,26.2 v1(43.9,26.6)
  Bottom Layer w0.254: IC1.26 10.4,20.7 12.6,18.5 21.8,18.5 23,19.7 26.2,19.7 26.7,20.2 26.7,21.5 29.7,24.5 29.7,26.404 v1(30.398,27.102) ; v1@30.4,27.1 30.8,27.5 43,27.5 v1(43.9,26.6)
STBY: IC2.5 R30.2 U2.6 | length 38.4
  Top Layer w0.254: U2.6 8.865,9.135 10,8 v1(12.1,8) 13.35,8 R30.2 ; v1(31.9,2.2) 31.9,4.7 32.16,4.96 IC2.5
  Bottom Layer w0.254: v1(12.1,8) 12.1,5 12.4,4.7 12.4,1.9 12.6,1.7 31.4,1.7 v1(31.9,2.2)
TX0: IC1.25 J1.3 R16.2 | length 69.8
  Top Layer w0.254: J1.3 32.06,27.5 35.9,27.5 ; v1(35.9,26.6) 35.9,27.5 ; R16.2 41.1,4.5 44.2,7.6 44.2,21.9 43.7,22.4 43.7,25.2 41.4,27.5 37.9,27.5 35.9,27.5
  Bottom Layer w0.254: IC1.25 10.47,19.43 12,17.9 22.3,17.9 23.5,19.1 26.8,19.1 27.4,19.7 27.4,21.4 29.8,23.8 33.1,23.8 v1(35.9,26.6)
UPDI: J1.1 R7.1 | length 20
  Top Layer w0.254: J1.1 32.63,26.8 34.4,26.8 v1(35.9,25.3) ; v1(34.7,16.5) 34.7,20.5 v1(37.3,23.1) ; R7.1 v1(35.1,13.3)
  Bottom Layer w0.254: v1(34.7,16.5) 35.1,16.1 v1(35.1,13.3) ; v1(35.9,25.3) 37.3,23.9 v1(37.3,23.1)
VBUS: J2.1 R28.1 | length 2.6
  Top Layer w0.4: R28.1 3.625,13.5 v4(4.2,13.5)
  Bottom Layer w0.4: J2.1 4.2,12.918 v4(4.2,13.5)
VBUS_IN: C14.2 R28.2 R30.1 R31.1 U2.4 U2.8 | length 20.7
  Top Layer w0.3: U2.8 12.125,10.525 12.65,11.05 R31.1 ; v1(13.3,13.7) R31.1 ; R30.1 R31.1
  Top Layer w0.4: R28.2 v1(6.9,15.475) U2.4 C14.2
  Bottom Layer w0.3: v1(6.9,15.475) 7.525,15.475 8.2,14.8 12.2,14.8 v1(13.3,13.7)
VOUT: C1.2 L1.2 Q2.6 U1.1 U1.8 | length 15.3
  Top Layer w0.3: U1.1 U1.8 C1.2
  Top Layer w0.45: L1.2 U1.1
  Top Layer w0.5: Q2.6 L1.2
pads on no net: IC1.1 IC1.15 IC1.16 IC1.17 IC1.22 IC1.24 IC2.2 IC2.7 IC2.8 IC2.9 IC2.10 IC2.20 IC2.21 IC2.22 J1. J1.4 J2.6 J2.7 J2.8 J2.9 J2.10 J2.11 Q2.1 Q2.2 Q2.5 U1.2 U1.3
copper on no net:
  other v3: 3,4 47,4 3,24 47,24

## Polygon pours and split planes (outlines as drawn)
MIC- on Top Layer "MIC-_L01_P000" (solid, remove dead copper, pour order 0): 1,0 cw(c1,1) 0,1 0,27 cw(c1,27) 1,28 7,28 cw(c7,27) 8,27 8,23 ccw(c9,23) 9,22 25.5,22 ccw(c25.5,23) 26.5,23 26.5,27 cw(c27.5,27) 27.5,28 49,28 cw(c49,27) 50,27 50,20 cw(c49,20) 49,19 47,19 ccw(c47,18) 46,18 46,10 ccw(c47,10) 47,9 49,9 cw(c49,8) 50,8 50,1 cw(c49,1) 49,0
MIC- on Bottom Layer "MIC-_L02_P001" (solid, remove dead copper, pour order 1): 1,0 cw(c1,1) 0,1 0,27 cw(c1,27) 1,28 7,28 cw(c7,27) 8,27 8,23 ccw(c9,23) 9,22 25.5,22 ccw(c25.5,23) 26.5,23 26.5,27 cw(c27.5,27) 27.5,28 49,28 cw(c49,27) 50,27 50,20 cw(c49,20) 49,19 47,19 ccw(c47,18) 46,18 46,10 ccw(c47,10) 47,9 49,9 cw(c49,8) 50,8 50,1 cw(c49,1) 49,0

## Keep-outs
Keep-Out Layer:
  the board outline again, w0.1

## Other copper
Top Layer:
  region net MIC-: 7.7,0.7 8.4,2.2 8.4,2.9 7.7,4 7.7,5.8 6.3,7.2 5.8,7.2 4,9 0.8,9 0.8,7.1 1.2,6.7 4,6.7 5.6,5.1 5.6,2.8 4.5,1.7 4.5,0.7
  region net NetL1_1: 20.386,4.114 19.8,4.7 19.8,6.1 20.9,7.2 21.2,7.2 21.5,7.5 21.7,7.5 21.7,7 22,6.7 22,4.7 21.414,4.114

## Silkscreen, mask and mechanical layers (free items; w line width, h text height)
Top Overlay:
  circle w0.15: c47,24 r3
  circle w0.15: c47,4 r3
  circle w0.15: c3,4 r3
  circle w0.15: c3,24 r3
  lines w0.13: 28.476,21.076 34.93,21.076 34.93,23.735 28.476,23.735 28.476,21.076
  text "RX" at 29.1,22.7 h1
  text "TX" at 30.6,22.7 h1
  text "UPDI" at 32.1,22.7 h1
  text "M-" at 29.1,21.6 h1
  text "+5V" at 31.5,21.6 h1
Bottom Overlay:
  circle w0.2: c40.787,23.987 r0.4
  circle w0.2: c40.787,23.987 r0.1
  circle w0.15: c36.717,24.71 r0.15
  region: 37.817,22.51 37.817,23.49 38.2,23.49 38.2,22.51
  region: 40.814,21.014 40.814,21.396 41.197,21.396 41.197,21.014
  lines w0.2: 35.672,3.17 44.178,3.17 ; 36.361,23.054 36.517,23.054 36.517,22.21 36.399,22.21 ; 36.519,19.519 41.514,25.501 ; 36.519,25.501 41.514,19.519 ; 36.818,20.217 36.818,24.504 ; 36.818,24.504 36.318,24.205 36.318,20.815 36.818,20.516 40.814,21.014 40.814,24.005 36.818,24.504 ; 37.318,24.304 37.318,24.703 37.817,24.604 37.817,24.304 37.318,24.304
  text "M+" at 43.5,24.9 h1.8 r90
  text "BLE AUDIO  / TRANSMITTER 1.0" at 33.7,24 h2 r90
  text "M-" at 45.325,19.4 h1.8 r90
  text "klein Electronics" at 36.2,18 h1.3 r90
  text "PTT" at 45.325,16.8 h1.8 r90
  text "SR" at 45.3,13.4 h1.8 r90
  text "SL" at 45.3,10.3 h1.8 r90
  text "BAT-" at 6.2,4 h1.5 r90
  text "BAT+" at 12.4,4 h1.5 r90
  text "RoHS" at 43.3,3.5 h3
  text "COMPLIANT" at 43.26,2 h1.3

## Text inside footprints (layer, text, board x,y; h text height)
U1: Top Overlay "*" at 23.322,1.322 h1.27 r90